# Altium PCB ActiTouch_PCB1.PcbDoc (continued)
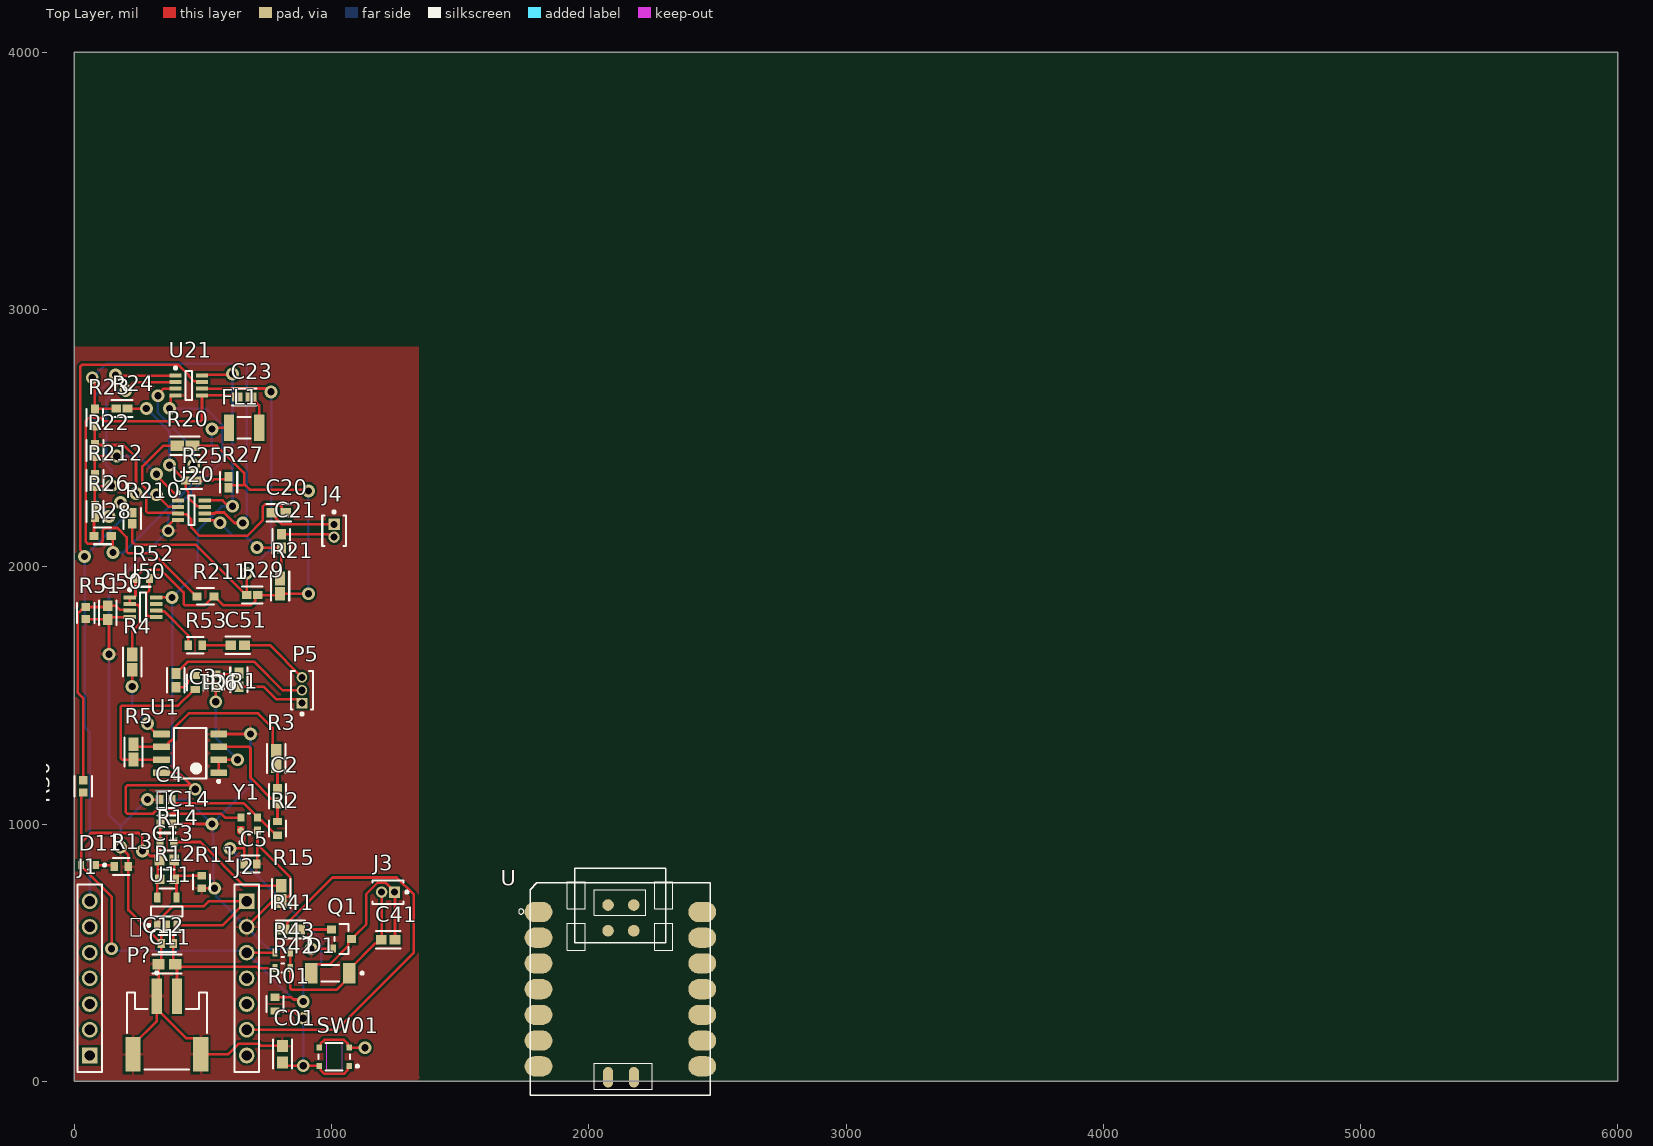
[diagram p0: Top Layer view]
## Part data (continued)
FL1: library part CMP-06047-000004-1, "Ceramic Filter 10.7MHz 2-Pin Surface Mount Emboss T/R"
J1 J2: library part CMP-1023-00284-1, "SQ Post Socket, Through-hole, Vertical, -55 to 125 degC, 2.54 mm Pitch, 7-Pin, Female, RoHS", Manufacturer=Samtec, Temperature Range="-55 to 125 degC", ComponentLink1Description="Manufacturer URL", ComponentLink1URL=http://www.samtec.com, ComponentLink2Description=Datasheet, ComponentLink2URL=http://www.samtec.com/documents/webfiles/pdf/SSQ_TH.PDF, ComponentLink3Description="Package Specification", ComponentLink3URL=http://www.samtec.com/documents/webfiles/cpdf/SSQ-1XX-XX-XXX-X-XX-XXX-XX-X-MKT.pdf, DatasheetVersion=F-214, Mounting Technology=Through-hole, Orientation=Vertical, PackageDescription="Assembly, Socket Strip .025[0.64] SQ Tail", PackageReference=SSQ-107-01-X-S, PackageVersion="BD, 6/1987", PartNumber=SSQ-107-01-G-S, Pitch="2.54 mm", RoHS=True
J3 J4: library part CMP-2000-06371-2, "CONN HEADER VERT 2POS 1.27MM", Package Quantity=1, Connector Type="Male Pin", Contact Mating Length=0.118inch, Contact Plating=Gold, Contact Type="Male Pin", Lead Free="Lead Free", Mount="Through Hole", Number of Positions=2, Number of Rows=1, Packaging=Bulk, Pitch=0.05inch, RoHS Compliant=Yes, Termination=Solder
P5: library part CMP-2000-06372-1, "Male Header, Pitch 1.27 mm, 1 x 3 Position, Height 4 mm, Tail Length 2.3 mm, -40 to 105 degC, RoHS, Bulk", Manufacturer=Sullins, Package Description="Male Header, Pitch 1.27 mm, 1 x 3 Position, Height 4 mm, Tail Length 2.3 mm", Standard Package=1, Catalog Drawings=S9014ESeriesTop, Category=Connectors,Interconnects, Connector Type=Header,Unshrouded, Contact Finish=Gold, Contact Finish Thickness=Flash, Contact Mating Length="0.118\"(3.00mm)", Contact Type=MalePin, Datasheet URL=http://www.sullinscorp.com/drawings/71_GRPB___1VWVN-RC,_10957-C.pdf, Datasheet Version="Rev. C, 12/2008", Dynamic Catalog=GRPB, Family=RectangularConnectors-Headers,MalePins, Manufacturer URL=http://www.sullinscorp.com/, Mating Products="S9010E-03-ND / -CONNHEADER.050\"3POSR/APCB / S9008E-03-ND / -CONNHEADER.050\"3POSPCBGOLD / S9005E-03-ND / -CONNHEADER.050\"3POSSMDGOLD", Mounting Technology=ThroughHole, Mounting Type=ThroughHole, Number of Positions=3, Number of Positions Loaded=All, Number of Rows=1, Other Names=S9014E-03, Package Reference=GRPB031VWVN-RC, Packaging=Bulk, Pitch="0.050\"(1.27mm)", Termination=Solder
P?: library part CMP-1755-00001-1, "Male Header, Pitch 2 mm, 1 x 2 Position, Height 5.5 mm, -25 to 85 degC, RoHS, Tape and Reel", Colour=Black, Current Rating="3 A", Max Operating Temperature=105degC, Min Operating Temperature=-65degC, Package Quantity=100, ComponentLink1Description="Manufacturer URL", ComponentLink1URL=http://www.jst.com/home2.html, ComponentLink2Description=Datasheet, ComponentLink2URL=http://www.jst-mfg.com/product/pdf/eng/ePH.pdf, Contact Finish=Lead, Contact Material=Bronze, Contact Plating=Tin, DatasheetVersion=Dec-12, Height="8.13 mm", Lead Pitch="0.1 inch", Length="101.19 mm", Mount="Through Hole", PackageDescription="Male Header, Pitch 2 mm, 1 x 2 Position, Height 5.5 mm", PackageReference=S2B-PH-SM4-TB(LF)(SN)-2, Packaging=Bulk, Pins=40, Radiation Hardening=No, RoHSCompliant=True, Width="2.34 mm"
Q1: library part CMP-12801-000001-1, "MOSFET N-CH 20V 2.8A SOT23", Continuous Drain Current=2.8A, Drain To Source Breakdown Voltage=20V, Drain To Source Resistance=61mΩ, Gate To Source Voltage=12V, Input Capacitace At Vds="130pF @ 10V", Manufacturer="Diodes Inc.", Max Forward Diode Voltage=1.2V, Max Junction Temp=+150°C, Package=SOT23, Power Dissipation=0.66W, Pulse Drain Current=12A, Temperature="-55°C to +150°C", Temperature Range Low=-55°C, Typ Forward Diode Voltage=0.7V, Automotive=Yes, Automotive Grade="Grade 0", Category=Trans, ComponentLink2Description=Datasheet, ComponentLink2URL=https://www.diodes.com/assets/Datasheets/DMG2302UK.pdf, Depletion Mode=False, Device Class L1="Discrete Semiconductors", Device Class L2=Transistors, Device Class L3=MOSFETs, Digikey Description="MOSFET N-CH 20V 2.8A SOT23", Drain To Source Voltage=20V, Footprint Url=https://www.diodes.com/assets/Package-Files/SOT23.pdf, Gate Charge At Vgs="2.8nC @ 10V", Height=1.1mm, Lead Free=Yes, Manufacturer Part Number=DMG2302UK-7, Number of Channels=1, Number Of N Channels=1, Octopart=https://octopart.com/dmg2302uk-7-diodes+inc.-73850182, Reverse Recovery Charge=0.5nC, Reverse Recovery Time=5.3ns, RoHS=TRUE, Rthja Max=192°C/W, Standoff Height=0.013mm, Temperature Range High=+150°C, Threshold Vgs Max=1V, Threshold Vgs Min=0.3V, Turn Off Delay Time=4.2ns, Turn On Delay Time=0.6ns
R01 R13 R14: library part CMP-26527-000144-1, "12.4kΩ ±1% 0.125W 0603 High Power Anti-Sulfur Thin Film Chip Resistor", Case Code (Imperial)=0603, Case Code (Metric)=1608, Max Operating Temperature=155°C, Max Power Dissipation=125mW, Min Operating Temperature=-55°C, Resistance=12.4kR, Resistor Type="Thin Film", Temperature Coefficient=100ppm/°C, Tolerance=1%, Case/Package=0603, Features="Moisture Resistant", Height=0.02inch, Length=0.059inch, Mount="Surface Mount", Number of Terminations=2, Packaging="Cut Tape", RoHS Compliant=Yes, Series=RNCP, Width=0.031inch
R1 R2 R6 R52 R53: library part CMP-26527-000751-1, "10Ω ±1% 0.125W 0603 High Power Anti-Sulfur Thin Film Chip Resistor", Case Code (Imperial)=0603, Case Code (Metric)=1608, Max Operating Temperature=155°C, Max Power Dissipation=125mW, Min Operating Temperature=-55°C, Resistance=10R, Resistor Type="Thin Film", Temperature Coefficient=100ppm/°C, Tolerance=1%, Case/Package=0603, Features="Moisture Resistant", Height=0.02inch, Lead Free="Lead Free", Length=0.059inch, Mount="Surface Mount", Number of Terminations=2, Packaging="Tape and Reel", RoHS Compliant=Yes, Series=RNCP, Width=0.031inch
R3 R4 R5 R15 R20 R21 R41: library part CMP-26527-000099-1, "10kΩ ±1% 0.125W 0603 High Power Anti-Sulfur Thin Film Chip Resistor", Case Code (Imperial)=0603, Case Code (Metric)=1608, Max Operating Temperature=155°C, Max Power Dissipation=125mW, Min Operating Temperature=-55°C, Resistance=10kR, Resistor Type="Thin Film", Temperature Coefficient=100ppm/°C, Tolerance=1%, Case/Package=0603, Contact Plating=Tin, Features="Moisture Resistant", Height=0.02inch, Lead Free="Lead Free", Length=0.059inch, Mount="Surface Mount", Number of Terminations=2, Packaging="Tape and Reel", Radiation Hardening=No, RoHS Compliant=Yes, Series=RNCP, Width=0.031inch
R11: library part CMP-2000-02962-2, "RES Thick Film, 18.7kΩ, 1%, 0.1W, 100ppm/°C, 0603", Case Code (Imperial)=0603, Case Code (Metric)=1608, Max Operating Temperature=155°C, Max Power Dissipation=100mW, Min Operating Temperature=-55°C, Package Quantity=10, Resistance=18.7kR, Temperature Coefficient=100ppm/°C, Tolerance=1%, Voltage Rating=75V, Case/Package=0603, Composition="Thick Film", Contact Plating=Tin, Depth=0.85mm, Features="Automotive AEC-Q200", Height=0.45mm, Lead Free="Lead Free", Length=1.55mm, Military Standard=Not, Number of Pins=2, Number of Terminations=2, Packaging="Tape and Reel", Power Rating=100mW, Radiation Hardening=No, Termination=SMD/SMT, Voltage Rating (DC)=75V, Weight=7.1E-05oz, Width=0.85mm, Working Voltage=75V
R12: library part CMP-2000-03864-2, "RES Thick Film, 11.5kΩ, 1%, 0.1W, 100ppm/°C, 0603", Case Code (Imperial)=0603, Case Code (Metric)=1608, Max Operating Temperature=155°C, Max Power Dissipation=100mW, Min Operating Temperature=-55°C, Package Quantity=10, Resistance=11.5kR, Temperature Coefficient=100ppm/°C, Tolerance=1%, Voltage Rating=75V, Case/Package=0603, Composition="Thick Film", Contact Plating=Tin, Depth=0.85mm, Features="Automotive AEC-Q200", Height=0.45mm, Lead Free="Lead Free", Length=1.55mm, Military Standard=Not, Number of Pins=2, Number of Terminations=2, Packaging="Tape and Reel", Power Rating=100mW, Radiation Hardening=No, Termination=SMD/SMT, Voltage Rating (DC)=75V, Weight=7.1E-05oz, Width=0.85mm, Working Voltage=75V
R22 R24 R26 R27 R29 R210: library part CMP-26527-006179-1, "1kΩ ±1% 0.125W 0603 High Power Anti-Sulfur Thin Film Chip Resistor", Case Code (Imperial)=0603, Case Code (Metric)=1608, Max Operating Temperature=155°C, Max Power Dissipation=125mW, Min Operating Temperature=-55°C, Resistance=1kR, Resistor Type="Thin Film", Temperature Coefficient=100ppm/°C, Tolerance=1%, Case/Package=0603, Features="Moisture Resistant", Height=0.02inch, Length=0.059inch, Mount="Surface Mount", Number of Terminations=2, Packaging="Tape and Reel", RoHS Compliant=Yes, Series=RNCP, Width=0.031inch
R23: library part CMP-03412-007120-1, "RES SMD 402 OHM 1% 1/10W 0603", Manufacturer=Yageo, Package=AC0603, Power Rating=0.1W, Resistance=402Ω, Temperature="-55°C to +155°C", Temperature Range High=+155°C, Temperature Range Low=-55°C, Tolerance=0.01, Voltage Rating=75V, Automotive=Yes, Automotive Grade="Grade 0", Category=Res, ComponentLink2Description=Datasheet, ComponentLink2URL=http://www.yageo.com/NewPortal/yageodocoutput?fileName=/pdf/R-Chip/PYu-AC_51_RoHS_L_6.pdf, Composition="Thick Film", Device Class L1="Passive Components", Device Class L2=Resistors, Device Class L3="Chip SMD Resistors", Digikey Description="RES SMD 402 OHM 1% 1/10W 0603", Footprint Url=http://www.yageo.com/exep/pages/download/literatures/PYu-R_Mount_9.pdf, Height=0.55mm, Ipc Land Pattern Name=RESC16080X45, Lead Free=Yes, Manufacturer Part Number=AC0603FR-07402RL, Mouser Description="Thick Film Resistors - SMD 1/10W 402ohm 1% AEC-Q200", Octopart=https://octopart.com/ac0603fr-07402rl-yageo-33978666, RoHS=TRUE, Series=AC
R25 R212: library part CMP-26527-000003-2, "200Ω ±1% 0.125W 0603 High Power Anti-Sulfur Thin Film Chip Resistor", Case Code (Imperial)=0603, Case Code (Metric)=1608, Max Operating Temperature=155°C, Max Power Dissipation=125mW, Min Operating Temperature=-55°C, Resistance=200R, Resistor Type="Thin Film", Temperature Coefficient=100ppm/°C, Tolerance=1%, Case/Package=0603, Features="Moisture Resistant", Height=0.02inch, Lead Free="Lead Free", Length=0.059inch, Mount="Surface Mount", Number of Terminations=2, Packaging="Tape and Reel", RoHS Compliant=Yes, Series=RNCP, Width=0.031inch
R28 R211: library part CMP-03412-003137-1, "RES SMD 330 OHM 1% 1/10W 0603", Manufacturer=Yageo, Package=AC0603, Power Rating=0.1W, Resistance=330Ω, Temperature="-55°C to +155°C", Temperature Range High=+155°C, Temperature Range Low=-55°C, Tolerance=0.01, Voltage Rating=75V, Automotive=Yes, Automotive Grade="Grade 0", Category=Res, ComponentLink2Description=Datasheet, ComponentLink2URL=http://www.yageo.com/NewPortal/yageodocoutput?fileName=/pdf/R-Chip/PYu-AC_51_RoHS_L_6.pdf, Composition="Thick Film", Device Class L1="Passive Components", Device Class L2=Resistors, Device Class L3="Chip SMD Resistors", Digikey Description="RES SMD 330 OHM 1% 1/10W 0603", Footprint Url=http://www.yageo.com/exep/pages/download/literatures/PYu-R_Mount_9.pdf, Height=0.55mm, Ipc Land Pattern Name=RESC16080X45, Lead Free=Yes, Manufacturer Part Number=AC0603FR-07330RL, Mouser Description="RES SMD 330 OHM 1% 1/10W 0603", Octopart=https://octopart.com/ac0603fr-07330rl-yageo-30510764, RoHS=TRUE, Series=AC
R42 R43: library part CMP-08839-000028-1, "100Ω ±5% 0.25W 0603 Anti-Surge Chip Resistor AEC-Q200", Case Code (Imperial)=0603, Case Code (Metric)=1608, Max Operating Temperature=155°C, Max Power Dissipation=250mW, Min Operating Temperature=-55°C, Power Rating=200mW, Resistance=100R, Temperature Coefficient=200ppm/°C, Tolerance=5%, Case/Package=0603, Features="Automotive AEC-Q200", Lead Free="Lead Free", Number of Terminations=2, Packaging="Tape and Reel", RoHS Compliant=Yes, Series=ESR, Size Code=0603
R50 R51: library part CMP-2000-06989-2, "100kΩ ±1% 0.1W 0603 Thick Film Chip Resistor AEC-Q200 compliant", Case Code (Imperial)=0603, Case Code (Metric)=1608, Max Operating Temperature=155°C, Max Power Dissipation=100mW, Min Operating Temperature=-55°C, Resistance=100kR, Resistor Type="Thick Film", Temperature Coefficient=100ppm/°C, Tolerance=1%, Working Voltage=75V, Case/Package=0603, Construction=Rectangular, Contact Plating=Tin, Depth=0.8mm, Features="Automotive AEC-Q200", Height=0.022inch, Lead Free="Lead Free", Length=1.55mm, Military Standard=Not, Mount="Surface Mount", Number of Terminations=2, Packaging="Tape and Reel", Power Rating=100mW, Radiation Hardening=No, RoHS Compliant=Yes, Series=RMCF, Width=0.031inch
SW01: library part CMP-05618-000093-1, "SWITCH TACTILE SPST-NO 0.02A 15V", Case/Package=SMD/SMT, Color=Black, Contact Resistance=500mR, Current Rating=50mA, Max Current Rating=20mA, Max Operating Temperature=85°C, Max Voltage Rating (DC)=15V, Min Operating Temperature=-40°C, Operating Force=2.4N, Package Quantity=1, Actuator Length=0.22mm, Actuator Type=Standard, Contact Plating=Silver, Depth=3.4mm, Electrical Life=500000Cycles, Height=0.7mm, Illumination Type=Non-Illuminated, Length=2.6mm, Mechanical Life=500000Cycles, Mount="Surface Mount", Orientation=Straight, Packaging="Tape and Reel", Radiation Hardening=No, REACH SVHC="No SVHC", Series=EVPAF, Size=2.6mm, Switch Function=Off-Mom, Switch Travel=0.15mm, Termination=J-Bend, Throw Configuration=SPST, Voltage Rating (DC)=15V
U1: library part CMP-0018-00293-2, "Dual, Very Low Power, Rail to Rail Out, Negative Rail In, VFB Operational Amplifier, 2.5 to 5.5 V, -40 to 85 degC, 8-pin SOIC (D8), Green (RoHS & no Sb/Br)", Manufacturer="Texas Instruments", 2nd Harmonic(dBc)=85, 3rd Harmonic(dBc)=105, Acl, min stable gain(V/V)=1, BW @ Acl(MHz)=205, Code_JEDEC=MS-012, ComponentLink1Description="Manufacturer URL", ComponentLink1URL=http://www.ti.com/, ComponentLink2Description=Datasheet, ComponentLink2URL=http://www.ti.com/general/docs/lit/getliterature.tsp?genericPartNumber=OPA2836&fileType=pdf, ComponentLink3Description="Package Specification", ComponentLink3URL=http://www.ti.com/litv/pdf/msoi002j, DatasheetVersion=SLOS712D, Eco-Plan="Green (RoHS & no Sb/Br)", Iib(Max)(nA)=1000, Io(Typ)(mA)=50, Iq per channel(Max)(mA)=1, Mounting Technology="Surface Mount", Number of Channels=2, PackageDescription="8-Pin Plastic Small Outline, Body 4.9 x 3.9 mm, Pitch 1.27 mm", PackageReference=D0008A, PackageVersion="4040047-3/M, 06/2011", PartNumber=OPA2836IDR, Settling Time (0.1%)(Typ)(ns)=30, Slew Rate(Typ)(V/us)=560, Sub Family="High Output Current Amplifier (>=50mA), High Speed Amplifier (>=50MHz), Low Noise Amp (<=10nV/rtHz), Low Offset Voltage Amplifier (<=500uV), Low Supply Voltage Amplifier (<=2.7V)", Vio(Max)(mV)=0.4, Vn at Flatband(Typ)(nV/rtHz)=4.6, Vs(Max)(V)=5.5, Vs(Min)(V)=2.5
U11: library part CMP-0394-00176-2, "Single Output Fast Transient Response LDO, 250 mA, Fixed 3.3 V Output, 1.8 to 12 V Input, 5-pin SOT-23 (DBV), -55 to 125 degC, Green (RoHS & no Sb/Br)", Manufacturer="Texas Instruments", Accuracy(%)=1.5, Code_JEDEC=MO-178, ComponentLink1Description="Manufacturer URL", ComponentLink1URL=http://www.ti.com/, ComponentLink2Description=Datasheet, ComponentLink2URL=http://www.ti.com/general/docs/lit/getliterature.tsp?genericPartNumber=REG102-33&fileType=pdf, ComponentLink3Description="Package Specification", ComponentLink3URL=http://www.ti.com/litv/pdf/mpds018i, DatasheetVersion=SBVS024F, Eco-Plan="Green (RoHS & no Sb/Br)", Fixed Output Options(V)=3.3, Iout(Max)(A)=0.25, Iq(Typ)(mA)=0.4, Mounting Technology="Surface Mount", PackageDescription="5-Pin Plastic Small Outline, Body 1.60 Ãƒâ€” 2.90 mm, Pitch 0.95 mm", PackageReference=DBV0005A, PackageVersion=4073253-4/K, PartNumber=REG102NA-3.3/3K, SubFamily="Single Channel LDO", Vdo(Typ)(mV)=150, Vin(Max)(V)=12, Vin(Min)(V)=1.8, Vout Adj(Max)(V)=3.3, Vout Adj(Min)(V)=3.3
U20 U21 U50: library part CMP-0359-03726-2, "Dual Channel, Power Efficient Operational Amplifier, RRIO, 720 MHz Typical GBW, 280 V/us Typical SR, 2.5 to 5.25 V, 8-Pin SOP (TS8-8), Industrial, Pb-Free, Mini Reel", Linear Technology Part Number=LTC6253, Manufacturer="Linear Technology", Channels (#)=2, Code_JEDEC=MO-193, ComponentLink1Description="Manufacturer URL", ComponentLink1URL=http://www.linear.com/, ComponentLink2Description=Datasheet, ComponentLink2URL=http://cds.linear.com/docs/en/datasheet/625234fc.pdf, ComponentLink3Description="Package Specification", ComponentLink3URL=http://cds.linear.com/docs/en/packaging/SOT_8_05-08-1637.pdf, DatasheetVersion="Rev. C", GBW (MHz) Typical=720, Is (mA) Typical=3.3, Mounting Technology="Surface Mount", PackageDescription="8-Lead Plastic TSOT-23, Body 2.9 x 1.63 mm, Pitch 0.65 mm", PackageReference=LT-TS8-8-TSOT-23, PackageVersion="Rev A", Packing="Mini Reel", PartNumber=LTC6253ITS8#TRMPBF, RevisionNote="URLs updated", RoHS=Pb-Free, SR (V/us) Typical=280, Type=VFB, Vos (mV) Typical=0.05, Vs Max (V)=5.25, Vs Min (V)=2.5
Y1: library part CMP-06255-000006-1, Case/Package=SMD/SMT, Frequency=24MHz, Frequency Stability=50ppm, Max Operating Temperature=85°C, Max Supply Current=1.3mA, Min Operating Temperature=-40°C, Ratings=AEC-Q100, Mount="Surface Mount", Packaging="Tape and Reel"

## Via types
v1: diameter 50, hole 28, Top Layer to Bottom Layer, 48 vias

## Nets (pads, with @x,y where several pads share a name; then routed paths per layer and width w, separated by ;. In a path a pad name is that pad's centre, name@x,y a point inside that pad or via, vN(x,y) a via of type N, cw(c..) or ccw(c..) an arc to the next point about the centre after c; other vN are vias at no path point)
1.65V: R14.2 R15.1 | length 488.5
  Top Layer w10: R14.2 490,930 660.41,759.59 R15.1
1V65: R4.1 R20.1 R21.2 R27.1 R29.2 R52.1 R211.1 U50.1 U50.2 | length 2206.1
  Top Layer w10: R4.1 225,1747.94 254.02,1776.96 254.02,1844.09 245.23,1852.87 217.72,1852.87 U50.2 U50.1 231.14,1881.18 237.93,1887.97 R52.1 237.93,1958.44 267.2,1987.72 337.28,1987.72 425,1900 425,1855.86 430.86,1850 506.5,1850 541.5,1885 R211.1 545.43,1885 580.43,1850 685.96,1850 703.76,1867.8 703.76,1880.33 R29.2 795,1890 R21.2 v1(910,1895) ; R20.1 555,2470 660,2365 660,2322.1 ; R27.1 609.67,2316.24 654.14,2316.24 660,2322.1 ; v1(910,2295) 905,2300 682.1,2300 660,2322.1
  Bottom Layer w10: v1@905,2300 v1(910,2295) v1(910,1895)
3V3: C14.1 C5.1 C13.2 D11.2 J2.3 R01.1 R12.2 R14.1 R43.2 R50.1 U1.8 U11.5 U20.8 U21.8 U50.8 U.12 Y1.1 Y1.4 | length 6463.1
  Top Layer w10: R50.1 26.46,1114.13 26.46,926.46 ; v1(145,515) 145,717.52 26.46,836.06 D11.2 26.46,926.46 ; v1(265,895) 265,950 250,965 65,965 26.46,926.46 ; v1@275.82,895 295.15,875.67 317.76,875.67 325,868.43 C13.2@325,866.46 ; U50.8 378.82,1881.18 v1(380,1880) ; U11.5 R12.2@322.6,775 ; R12.2@325,797.4 C13.2@325,866.46 ; U1.8 405,1200 v1@455,1150 ; C14.1@343.29,1011.24 335,1002.95 C14.1 333.97,998.97 333.97,931.03 R14.1 332.93,861.48 C13.2 C13.2@325,866.46 ; C14.1@346.51,1014.46 352.48,1020.43 352.48,1023.93 368.55,1040 380,1040 ; v1(470,1135) v1@455,1150 ; U21.8 499.45,2746.26 611.26,2746.26 v1(615,2750) ; U20.8 576.61,2258.39 600,2235 v1(615,2235) ; v1(605,905) 657.64,905 661.38,901.26 ; Y1.1 647.52,971.39 661.38,957.53 661.38,901.26 ; Y1.4 586.28,1024.61 570.89,1040 380,1040 ; C5.1 661.38,901.26 ; J2.3 R43.2 ; R43.2@776.65,495 R43.2@780.47,495 ; R01.1 842.93,327.07 852.35,317.65 v1@871.52,317.65 ; 380,1040 385.86,1045.86 385.86,1054.14 380,1060 326.72,1060 306.72,1040 205.86,1040 200,1045.86 200,1144.14 205.86,1150 v1@455,1150
  Bottom Layer w10: v1(145,515) 152.5,507.5 662.5,507.5 J2.3 852.35,317.65 882.35,317.65 v1(890,310) 890,391.2 960,461.2 960,550 v1(605,905) ; v1(470,1135) 380,1225 v1(380,1880) 480.54,1980.54 480.54,2142.11 573.43,2235 v1(615,2235) v1(615,2750)
5V: C12.1 C11.1 J2.1 P?.2 R42.2 U11.1 U11.3 U.14 U.15 | length 1365.9
  Top Layer w10: U11.1 329.41,612.68 329.41,626.81 382.05,679.45 502.99,679.45 523.54,700 J2.1 575.87,605.87 U11.3 390.59,599.06 390.59,573.31 385,567.72 C12.1 385,462.51 C11.1 ; P?.2 399.37,439.65 405.23,445.51 710.63,445.51 716.15,440 R42.2 R42.2@780.47,434.09
GND: C12.2 C14.2 C01.2 C4.2 C5.2 C11.2 C50.1 J2.2 P?.1 P?.MP1 P?.MP2 Q1.2 R11.1 R13.2 R15.2 R51.2 U1.4 U11.2 U20.4 U21.4 U50.4 U.13 U.16 Y1.2 | length 6809.6
  Top Layer w10: R51.2 128.66,1796.34 C50.1 ; v1(135,1660) 135,1790 C50.1 ; v1(180,910) 210,880 R13.2 210,665.71 C12.2@337.76,537.95 ; U50.4 139.41,1804.41 C50.1 ; P?.MP1 228.11,141.85 320.63,234.37 P?.1@320.63,281.61 ; v1(285,1095) C4.2 ; U11.2 353.19,599.06 353.19,583.15 337.76,567.72 C12.2@337.76,537.95 ; v1(365,2140) 365,2159.33 387.28,2181.61 U20.4 ; v1@365,2630 374.41,2639.41 374.41,2663.74 377.28,2666.61 U21.4 ; C14.2 v1(535,1000) ; R11.1 v1(545,750) ; U1.4 v1(685,1350) ; J2.2 770.41,700.41 R15.2 805,703.03 819.92,717.95 831.14,717.95 839.92,726.74 839.92,792.44 712.48,919.88 Y1.2 710.55,973.46 710.55,846.93 C5.2 ; C01.2 726.56,137.51 718.56,145.51 638.02,145.51 596.96,104.45 P?.MP2 491.89,141.85 467.36,166.38 435.87,166.38 P?.1@320.63,281.61 ; v1(920,515) 998.97,515 Q1.2 ; P?.1@320.63,281.61 P?.1 327.49,337.68 C11.2 337.76,465.27 C12.2 C12.2@337.76,537.95
  Bottom Layer w10: v1(180,910) 180,990 ; v1(370,2615) 511.57,2615 575,2551.57 575,2410 365,2200 v1(365,2140) 135,1910 v1(135,1660) 135,1035 180,990 ; v1(685,1350) 685,1150 v1(535,1000) ; v1(920,515) 755,515 J2.2 552.65,717.35 552.65,742.35 v1(545,750) 540,755 540,995 v1(535,1000) ; 180,990 v1(285,1095) 440,1095 v1(535,1000)
NetC01_1: C01.1 R01.2 SW01.A SW01.A' | length 609.2
  Top Layer w10: R01.2 852.07,272.93 v1@888.15,236.85 ; C01.1 822.92,59.57 SW01.A' 957.76,53.74 957.76,43.35 972.29,28.82 1047.71,28.82 1062.24,43.35 1062.24,53.74 SW01.A
  Bottom Layer w10: v1(890,60) v1(890,245)
NetC1_1: C1.1 R1.2 | length 91.9
  Top Layer w10: R1.2 635.41,1582.07 C1.1
NetC1_2: C1.2 P5.1 | length 271.2
  Top Layer w10: C1.2 737.31,1533.34 784.98,1485.67 869.33,1485.67 P5.1
NetC2_1: C2.1 R2.2 U1.3 | length 459.4
  Top Layer w10: U1.3 679.14,1300 685,1294.14 685,1180.01 767.51,1097.5 777.04,1097.5 790,1084.55 C2.1 R2.2
NetC2_2: C2.2 R3.1 | length 92.5
  Top Layer w10: R3.1 790,1220.41 C2.2
NetC3_1: C3.1 R6.2 | length 95.8
  Top Layer w10: C3.1 424.61,1531.68 440.95,1548.01 440.95,1551.46 466.56,1577.07 R6.2
NetC3_2: C3.2 P5.2 | length 555.9
  Top Layer w10: C3.2 395,1587.87 407.96,1600.82 410.82,1600.82 440,1630 700,1630 810,1520 P5.2
NetC4_1: C4.1 R2.1 Y1.3 | length 473
  Top Layer w10: C4.1 378.62,1092.05 388.39,1082.28 391.96,1082.28 394.24,1080 659.06,1080 712.48,1026.57 Y1.3 712.48,1022.64 721.26,1013.86 728.56,1013.86 786.56,955.87 R2.1
NetC13_1: C13.1 R11.2 R12.1 U11.4 | length 257.6
  Top Layer w10: R12.1 R12.1@388.54,785.38 ; R12.1@388.17,795 397.4,785.76 U11.4 ; C13.1 388.54,795.38 391.62,798.46 R11.2
NetC20_1: C20.1 J4.1 | length 265.9
  Top Layer w10: C20.1 771.21,2210 784.16,2197.04 784.16,2187.51 806.67,2165 J4.1
NetC20_2: C20.2 R20.2 U20.3 | length 1050.9
  Top Layer w10: R20.2 345,2470 265,2390 265,2316.57 279.38,2302.19 279.38,2215.78 285.24,2209.92 400.71,2209.92 U20.3 406.14,2204.49 433.65,2204.49 455,2183.14 455,2151.74 486.74,2120 672.42,2120 732.52,2180.1 732.52,2234.17 741.3,2242.96 795.37,2242.96 805.84,2232.49 805.84,2222.96 818.79,2210 C20.2
NetC21_1: C21.1 J4.2 | length 209.8
  Top Layer w10: C21.1 989.11,2126.66 1000.77,2115 J4.2
NetC21_2: C21.2 R21.1 U20.5 | length 464.5
  Top Layer w10: U20.5 507.74,2180.45 545.59,2180.45 555.11,2170.93 v1(565.93,2170.93) ; v1(710,2075) 711.66,2073.34 C21.2 805,1959.18 R21.1
  Bottom Layer w10: v1(565.93,2170.93) 616.86,2120 665,2120 v1(710,2075)
NetC23_1: C23.1 FL1.2 | length 135.1
  Top Layer w10: C23.1 689.53,2660 702.48,2647.04 702.48,2644.18 719.06,2627.61 FL1.2
NetC23_2: C23.2 R211.2 U21.5 | length 1798.9
  Top Layer w10: R211.2 474.57,1885 307.34,2052.22 209.73,2052.22 203.87,2058.08 203.87,2114.27 167.39,2150.75 119.53,2150.75 110,2141.21 110,2098.79 100.47,2089.25 52.61,2089.25 43.82,2098.04 43.82,2565.03 58.04,2579.25 101.96,2579.25 116.18,2565.03 490.72,2565.03 496.57,2570.89 U21.5 626.72,2666.61 C23.2
NetC41_1: C41.1 D1.2 J3.1 Q1.3 | length 759.8
  Top Layer w10: D1.2 921.18,434.76 940.79,454.37 993.02,454.37 1065.53,526.88 1065.53,542.19 1076.28,552.94 Q1.3 1080.22,552.94 1090.96,563.69 1090.96,565.66 1135,609.69 1135,727.39 1179.65,772.05 1210.35,772.05 1227.95,754.44 1227.95,752.05 1246.66,733.34 C41.1
NetC41_2: C41.2 D1.1 J3.2 R42.1 R43.1 | length 778.9
  Top Layer w10: R43.1 R42.1 840,439.53 840,360.86 845.86,355 1018.58,355 1068.82,405.24 1068.82,434.76 1171.1,537.04 1180.38,537.04 C41.2 1195,551.66 J3.2
NetC50_2: C50.2 R50.2 R51.1 U50.3 | length 879.4
  Top Layer w10: R50.2 35,1488.69 13.11,1510.59 13.11,1818.42 27.49,1832.8 34.13,1832.8 R51.1 125.34,1843.66 C50.2 162.96,1848.32 178.56,1832.72 212.28,1832.72 U50.3
NetC51_1: C51.1 P5.3 | length 275.1
  Top Layer w10: C51.1 760,1695 P5.3
NetC51_2: C51.2 R53.2 | length 111.3
  Top Layer w10: R53.2 C51.2
NetD11_1: D11.1 R13.1 | length 74.4
  Top Layer w10: D11.1 150.87,840 R13.1
NetFL1_1: FL1.1 R28.1 | length 799.6
  Top Layer w10: R28.1 150,2113.46 v1(150,2055) ; v1(535,2535) 540,2540 FL1.1
  Bottom Layer w10: v1(150,2055) 191.72,2055 535,2398.28 v1(535,2535)
NetQ1_1: Q1.1 R41.2 | length 129.6
  Top Layer w10: R41.2@870,590 999.17,590 Q1.1
NetR1_1: R1.1 U1.1 U1.2 | length 426.9
  Top Layer w10: v1@550,1485 R1.1 ; U1.1 U1.2 v1(635,1250)
  Bottom Layer w10: v1(550,1475) 550,1335 v1(635,1250)
NetR3_2: R3.2 R5.1 U1.6 | length 745.2
  Top Layer w10: R5.1 239.59,1300 358.46,1300 366.26,1307.8 366.26,1316.35 372.12,1322.2 376.35,1322.2 386.26,1332.12 386.26,1371.26 445,1430 715,1430 771.32,1373.68 771.32,1298.27 R3.2
NetR4_2: R4.2 U1.5 | length 308.7
  Top Layer w10: v1(225,1535) R4.2 ; v1(285,1390) 285,1384.09 319.09,1350 U1.5
  Bottom Layer w10: v1(225,1535) 225,1450 v1(285,1390)
NetR5_2: R5.2 R6.1 U1.7 | length 677.7
  Top Layer w10: U1.7 230.41,1250 R5.2 185.86,1250.41 180,1256.27 180,1454.14 185.86,1460 403.62,1460 466.56,1522.93 R6.1
NetR22_1: R22.1 R23.2 U20.2 | length 579.8
  Top Layer w10: R23.2 R22.1 191.57,2473.43 240.86,2424.14 240.86,2415.86 240,2415 240,2285.62 v1(239.38,2285) ; v1(320,2280) 367.2,2232.8 U20.2
  Bottom Layer w10: v1(239.38,2285) 241.88,2282.5 317.5,2282.5 v1(320,2280)
NetR22_2: R22.2 R212.1 U20.1 | length 465.3
  Top Layer w10: R212.1 R22.2 v1(165,2430) ; v1@326.18,2348.82 399.6,2275.4 399.6,2261.26 402.47,2258.39 U20.1
  Bottom Layer w10: v1(165,2430) 250,2430 v1(320,2360)
NetR23_1: R23.1 R24.1 U20.6 | length 1622.1
  Top Layer w10: v1(70,2735) 80,2725 R23.1 161.75,2613.46 R24.1 ; U20.6 545.64,2207.2 549.36,2210.93 582.5,2210.93 623.43,2170 v1(655,2170)
  Bottom Layer w10: v1(70,2735) 125,2790 664.14,2790 670,2784.14 670,2195.82 655,2180.82 v1(655,2170)
NetR24_2: R24.2 R25.1 U20.7 | length 567.4
  Top Layer w10: R24.2 v1(280,2615) ; v1(370,2395) 370.51,2395 430.51,2335 R25.1 433.29,2301.29 442.44,2292.14 442.44,2269.42 476.35,2235.51 503.86,2235.51 U20.7
  Bottom Layer w10: v1(280,2615) 370,2525 v1(370,2395)
NetR25_2: R25.2 R27.2 U21.3 | length 592.9
  Top Layer w10: v1@330,2675 347.2,2692.2 U21.3 ; v1(464.14,2395.86) 467.05,2392.95 467.05,2344.67 R25.2 537.08,2335 542.41,2340.33 590.33,2340.33 R27.2
  Bottom Layer w10: v1(325,2665) 325,2598.28 464.14,2459.14 v1(464.14,2395.86)
NetR26_1: R26.1 R28.2 U21.1 | length 970.4
  Top Layer w10: R28.2 76.54,2189.82 R26.1 133.29,2193.29 v1(135,2195) ; v1(160,2745) 161.61,2743.39 U21.1
  Bottom Layer w10: v1(135,2195) 135,2205.82 80,2260.82 80,2665 v1(160,2745)
NetR26_2: R26.2 R212.2 U21.2 | length 776.6
  Top Layer w10: R26.2 R212.2 138.29,2313.29 v1@140,2315 ; v1(200,2685) 232.8,2717.8 U21.2
  Bottom Layer w10: v1(145,2315) 145,2376.2 125,2396.2 125,2649.14 160.86,2685 v1(200,2685)
NetR29_1: R29.1 R210.2 U21.6 | length 1709.4
  Top Layer w10: R210.2 225,2095.86 235.86,2085 472.22,2085 667.22,1890 R29.1 v1@670,1980 ; U21.6 605.55,2692.2 606.3,2692.96 752.04,2692.96 v1(765,2680)
  Bottom Layer w10: v1(670,1975) 765,2070 v1(765,2680)
NetR52_2: R52.2 U50.5 | length 188.2
  Top Layer w10: R52.2 292.07,1908.2 279.13,1895.27 279.13,1815.91 287.92,1807.13 315.43,1807.13 U50.5
NetR53_1: R53.1 U50.6 U50.7 | length 202.8
  Top Layer w10: U50.6 320.87,1827.28 348.38,1827.28 442.93,1732.73 R53.1
NetSW01_B: SW01.B SW01.B' U.19 | length 215.9
  Top Layer w10: SW01.B' 957.76,136.26 957.76,146.65 972.29,161.18 1047.71,161.18 1062.24,146.65 1062.24,136.26 SW01.B v1(1129.57,130.43) v1@1130,130
PA02_A0_D0: J1.7 R210.1 U21.7 U.1 | length 2909.1
  Top Layer w10: v1@40,2055 34.68,2055 23.82,2065.86 23.82,2779.14 29.68,2785 404.91,2785 445,2744.91 445,2741.86 466.35,2720.51 493.86,2720.51 U21.7 ; v1@185,2240 197.78,2240 225,2212.78 R210.1
  Bottom Layer w10: J1.7 60,1357.66 40,1377.66 v1(40,2040) 180,2180 v1(180,2250)
PA4_A1_D1: J1.6 U.2
PA5_A9_D9_MISO: J2.5 U.10
PA6_A10_D10_MOIS: J2.4 U.11
PA7_A8_D8_SCK: J2.6 R41.1 U.9 | length 1627.1
  Top Layer w10: J2.6 1020,200 1320,500 1320,725.31 1253.26,792.05 1003.86,792.05 827.95,616.14 827.95,604.92 813.03,590 R41.1
PA9_A5_D5_SCL: J1.2 U.6
PA10_A2_D2: J1.5 U.3
PA11_A3_D3: J1.4 U.4
PAB_A4_D4_SDA: J1.3 U.5
PB08_A6_D6_TX: J1.1 U.7
PB09_A7_D7_RX: J2.7 U.8
pads on no net: U.17 U.18 U.20
copper on no net: | length 4.7
  Top Layer w10: 805,2126.66 808.34,2130

## Polygon pours and split planes (outlines as drawn)
GND on Top Layer "GND_L01_P000" (solid, pour order 0): 1340,2855 1340,20 1345,15 1333.06,3.06 2.86,3.06 2.86,2857.86 5,2860 10,2855 15,2855
GND on Bottom Layer "GND_L02_P001" (solid, pour order 1): 5,2855 1335,2855 1335,0 0,0 0,2850